# Altium PCB Audio-Streamer-Mainboard.PcbDoc (part 6 of 7) (continued)
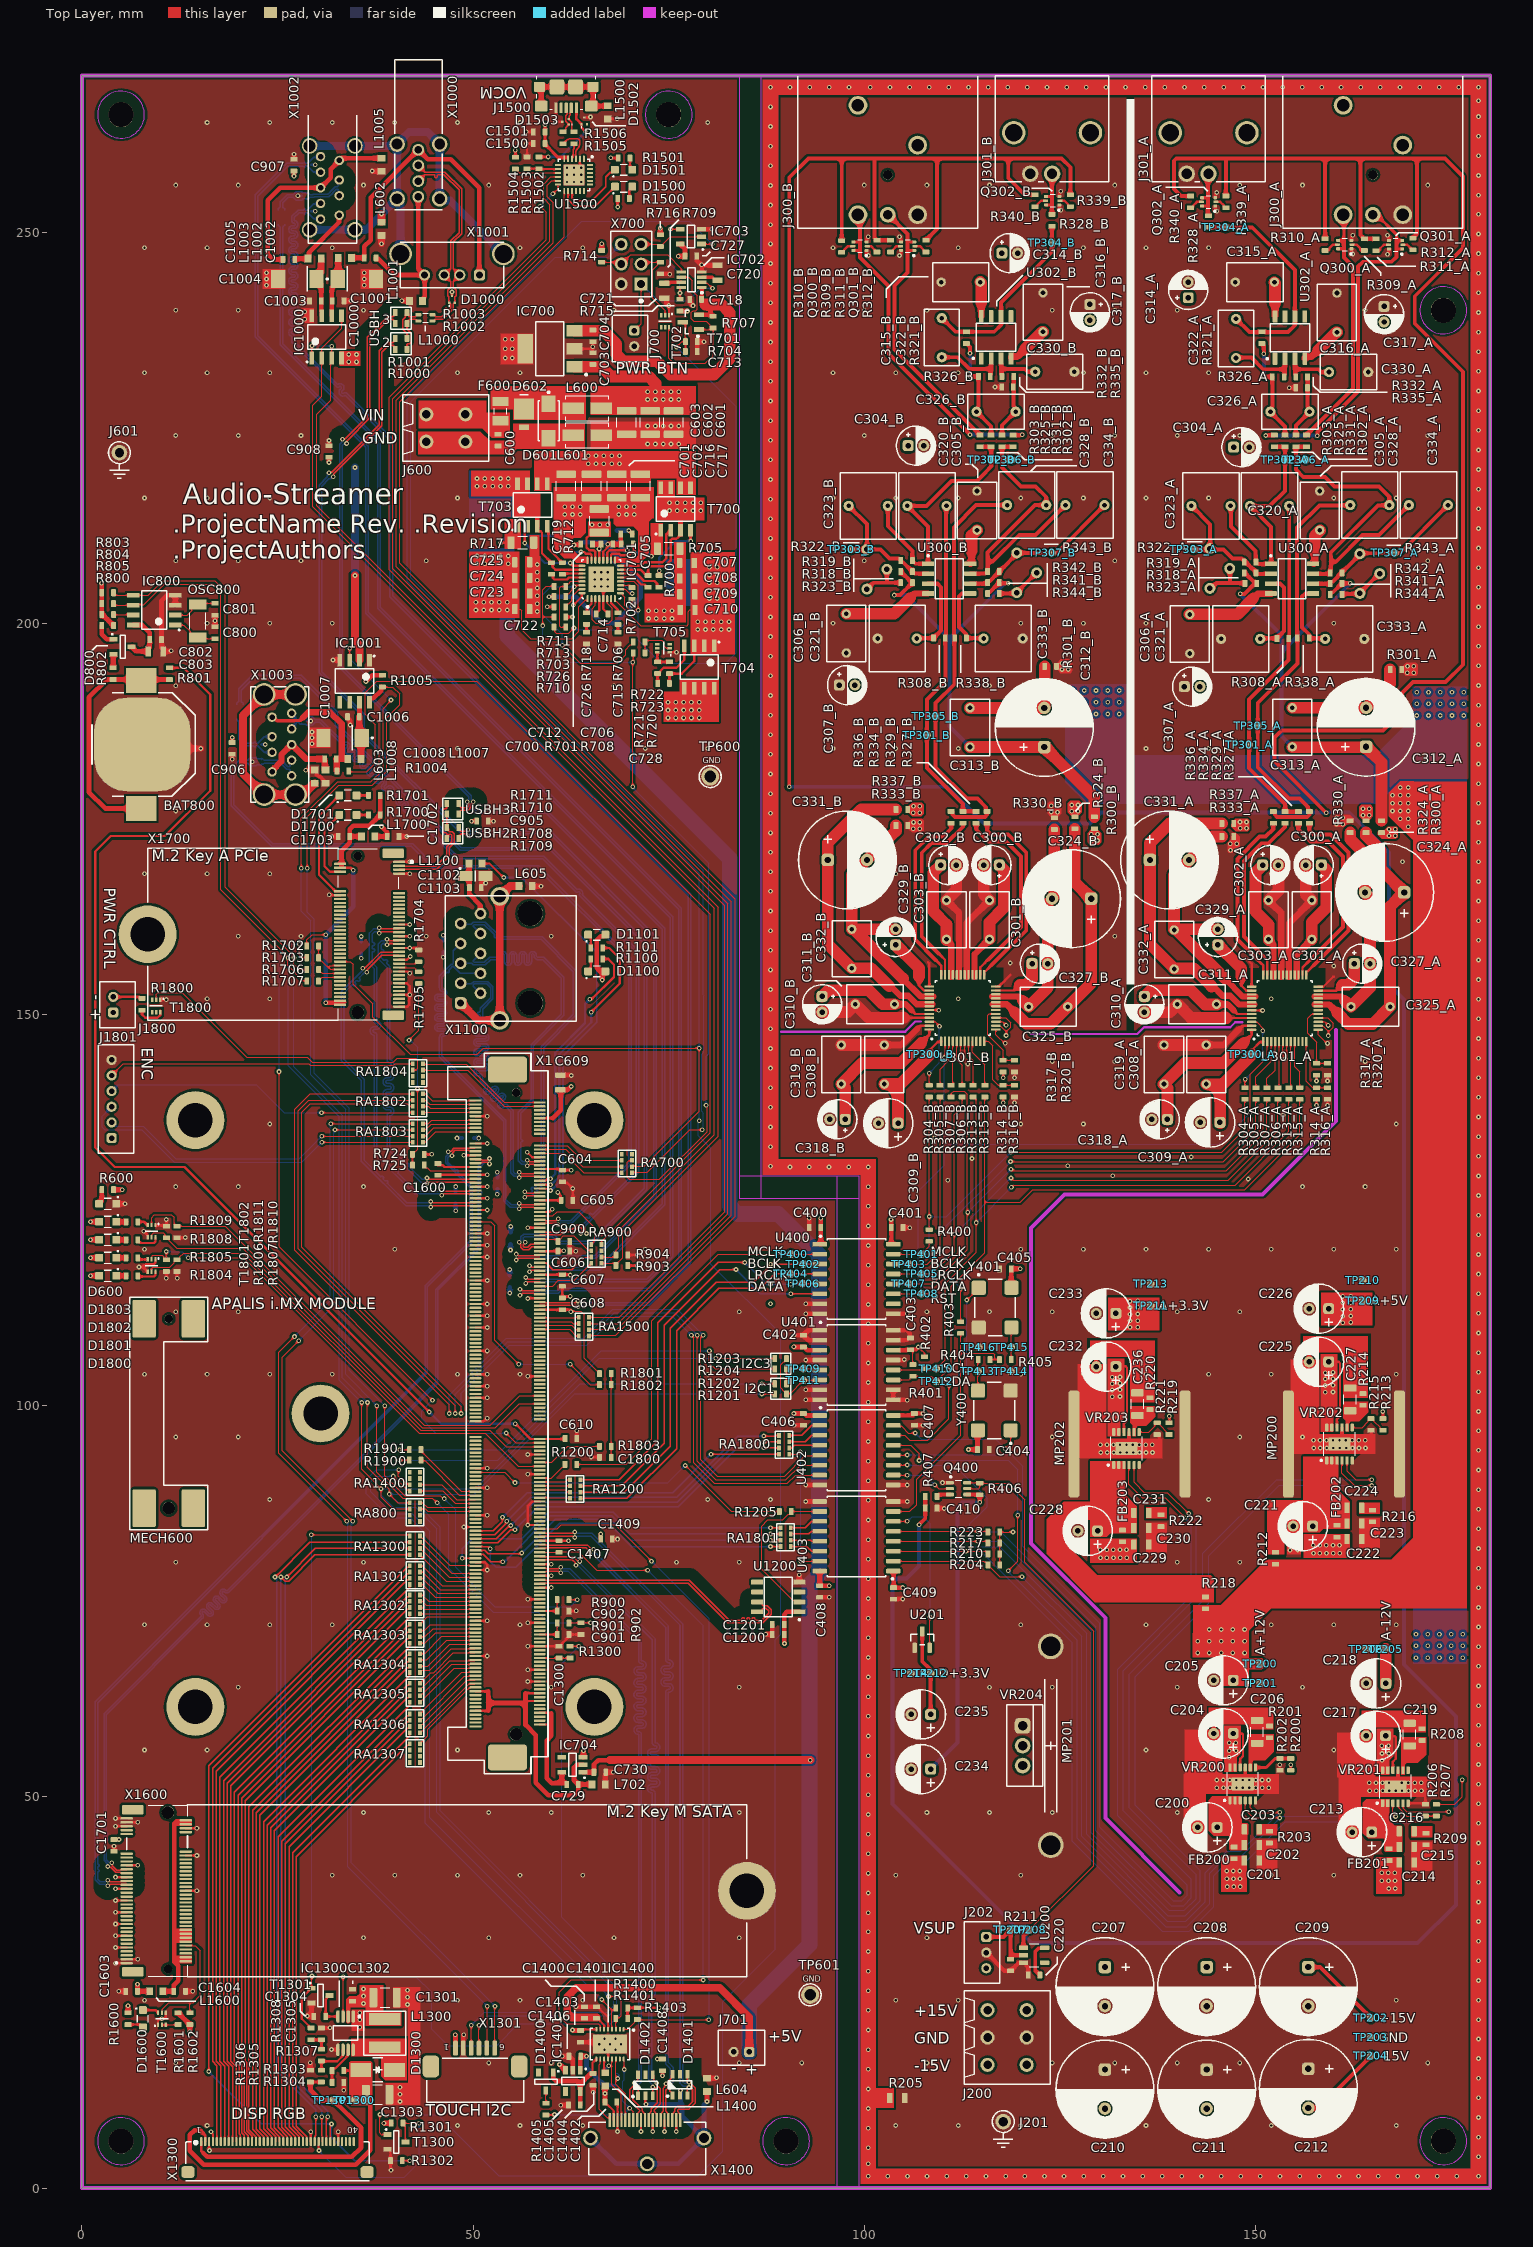
[diagram p0: Top Layer view]
## Nets (pads, with @x,y where several pads share a name; then routed paths per layer and width w, separated by ;. In a path a pad name is that pad's centre, name@x,y a point inside that pad or via, vN(x,y) a via of type N, cw(c..) or ccw(c..) an arc to the next point about the centre after c; other vN are vias at no path point) (continued)
USBH3_D_N: R1002.1 R1710.1 X1.88 | length 164.7
  Top Layer w0.165: v1(33.83,222.97) 33.902,223.042 33.902,223.342 36.8,226.24 36.8,236.438 39.2,238.838 39.736,238.838 39.832,238.741 39.832,238.517 R1002.1@40.05,238.3 ; R1710.1@48.15,175.6 48.368,175.817 48.368,176.016 48.464,176.113 49.382,176.113 49.787,176.518 49.787,176.886 50,177.098 v1(50,177.2) ; v1(57.2,117.125) 57.29,117.125 57.503,117.337 57.736,117.337 57.756,117.317 58.432,117.317 X1.88@58.5,117.25
  Bottom Layer w0.165: v1(33.83,222.97) 33.758,222.898 33.458,222.898 33.293,222.733 33.293,194.467 49.788,177.972 49.788,177.514 50,177.302 v1(50,177.2) 50,177.098 49.788,176.886 49.788,176.653 50.404,176.036 59.464,176.036 74.5,161 74.5,125.673 66.165,117.337 57.514,117.337 57.302,117.125 v1(57.2,117.125)
USBH3_D_P: R1003.1 R1711.1 X1.86 | length 164.2
  Top Layer w0.165: v1(33.3,223.5) 33.372,223.572 33.672,223.572 36.475,226.374 36.475,236.572 39.065,239.162 39.736,239.162 39.832,239.259 39.832,239.483 R1003.1@40.05,239.7 ; R1711.1@48.15,176.95 48.368,176.732 48.368,176.534 48.464,176.437 49.247,176.437 49.463,176.653 49.463,176.886 49.25,177.098 v1(49.25,177.2) ; v1(57.2,117.875) 57.29,117.875 57.503,117.662 57.736,117.662 57.756,117.682 58.432,117.682 X1.86@58.5,117.75
  Bottom Layer w0.165: v1(33.3,223.5) 33.228,223.428 33.228,223.128 32.968,222.867 32.968,194.332 49.463,177.837 49.463,177.514 49.25,177.302 v1(49.25,177.2) 49.25,177.098 49.463,176.886 49.463,176.518 50.269,175.711 59.329,175.711 74.175,160.865 74.175,125.807 66.03,117.662 57.514,117.662 57.302,117.875 v1(57.2,117.875)
USBH4_D_CON_N: D1003.2 L1004.4 X1002.2 | length 10
  Bottom Layer w0.165: L1004.4@25.759,253.093 25.662,253.189 25.662,253.73 26.39,254.458 27.017,254.458 27.387,254.088 28.086,254.088 28.236,254.238 28.935,254.238 D1003.2@28.968,254.27 29.035,254.337 29.035,254.361 29.132,254.458 29.669,254.458 29.7,254.489 31.575,254.489 32.049,254.962 32.049,255.003 32.533,255.488 32.67,255.488 32.767,255.391 32.767,254.783 X1002.2@32.9,254.65 ; L1004.4@25.76,253.093 25.9,252.953 L1004.4@25.9,252.8
USBH4_D_CON_P: D1003.1 L1004.3 X1002.3 | length 10.6
  Bottom Layer w0.165: L1004.3@25.1,252.8 25.1,252.953 L1004.3@25.24,253.093 ; L1004.3@25.241,253.093 25.338,253.189 25.338,253.864 26.256,254.782 27.017,254.782 27.387,255.152 28.086,255.152 28.236,255.002 28.935,255.002 D1003.1@28.968,254.97 29.035,254.902 29.035,254.879 29.132,254.782 29.534,254.782 29.565,254.814 31.44,254.814 31.724,255.097 31.724,255.137 32.399,255.812 32.67,255.812 32.767,255.909 32.767,256.517 X1002.3@32.9,256.65
USBH4_D_N: L1004.1 X1.100 | length 178.7
  Top Layer w0.165: v1(56,114.125) 56.102,114.125 56.314,114.337 57.736,114.337 57.756,114.317 58.432,114.317 X1.100@58.5,114.25
  Bottom Layer w0.165: L1004.1@25.759,250.707 25.662,250.611 25.662,235.738 38.125,223.275 38.125,202.075 76.625,163.575 76.625,118.665 72.63,114.67 61.23,114.67 60.897,114.337 56.314,114.337 56.102,114.125 v1(56,114.125) ; L1004.1@25.76,250.707 25.9,250.847 L1004.1@25.9,251
USBH4_D_P: L1004.2 X1.98 | length 178.7
  Top Layer w0.165: v1(56,114.875) 56.102,114.875 56.314,114.662 57.736,114.662 57.756,114.682 58.432,114.682 X1.98@58.5,114.75
  Bottom Layer w0.165: L1004.2@25.1,251 25.1,250.847 L1004.2@25.24,250.707 ; L1004.2@25.241,250.707 25.338,250.611 25.338,235.603 37.8,223.14 37.8,201.94 76.3,163.44 76.3,118.8 72.495,114.995 61.095,114.995 60.762,114.662 59.6,114.662 59.434,114.662 59.267,114.662 cw(c59.267,114.829) 59.101,114.829 59.101,114.908 ccw(c58.934,114.908) 58.934,115.075 ccw(c58.934,114.908) 58.768,114.908 58.768,114.829 cw(c58.601,114.829) 58.601,114.662 58.435,114.662 58.3,114.662 56.314,114.662 56.102,114.875 v1(56,114.875)
USBH4_SSRX_N: D1001.2 X1.92 X1002.5 | length 193.8
  Top Layer w0.165: v1(56.714,116.375) 56.816,116.375 57.028,116.162 57.736,116.162 57.756,116.182 58.432,116.182 X1.92@58.5,116.25
  Bottom Layer w0.165: X1002.5@30.5,259.65 30.402,259.552 29.649,259.552 28.879,258.783 28.639,258.783 28.543,258.88 28.543,258.882 D1001.2@28.475,258.95 28.407,258.882 28.407,258.859 28.311,258.762 26.203,258.762 22.175,254.735 22.175,236.6 36.275,222.5 36.275,201.265 75.175,162.365 75.175,119.155 72.19,116.17 66.1,116.17 ; v1(56.714,116.375) 56.816,116.375 57.028,116.162 70.2,116.162
USBH4_SSRX_P: D1001.1 X1.94 X1002.6 | length 193.9
  Top Layer w0.165: v1(56.714,115.625) 56.816,115.625 57.028,115.837 57.736,115.837 57.756,115.817 58.432,115.817 X1.94@58.5,115.75
  Bottom Layer w0.165: X1002.6@30.5,257.65 29.646,257.65 28.943,258.354 28.943,258.388 28.872,258.458 28.66,258.458 28.543,258.341 28.543,258.318 D1001.1@28.475,258.25 28.407,258.318 28.407,258.341 28.311,258.438 26.338,258.438 22.5,254.6 22.5,236.735 36.6,222.635 36.6,201.4 75.5,162.5 75.5,119.02 72.325,115.845 66.1,115.845 ; v1(56.714,115.625) 56.816,115.625 57.028,115.837 70.2,115.837
USBH4_SSTX_N: D1002.2 X1.104 X1002.8 | length 193.5
  Top Layer w0.165: X1.104@58.5,113.25 58.568,113.182 59.244,113.182 59.264,113.162 60.396,113.162 63.086,113.162 63.298,113.375 v1(63.4,113.375)
  Bottom Layer w0.165: X1002.8@30.5,253.65 30.452,253.602 29.649,253.602 28.943,252.896 28.943,252.883 28.872,252.812 28.639,252.812 28.543,252.909 28.543,252.932 D1002.2@28.475,253 28.407,252.932 28.407,252.909 28.311,252.812 27.623,252.812 26.845,252.035 26.845,251.391 ccw(c27.094,251.391) 27.094,251.142 cw(c27.094,250.976) 27.26,250.976 cw(c27.094,250.976) 27.094,250.809 26.921,250.809 ccw(c26.921,250.318) 26.921,249.826 27.094,249.826 cw(c27.094,249.66) 27.26,249.66 cw(c27.094,249.66) 27.094,249.493 26.921,249.493 ccw(c26.921,249.002) 26.921,248.51 27.094,248.51 cw(c27.094,248.344) 27.26,248.344 cw(c27.094,248.344) 27.094,248.177 26.921,248.177 ccw(c26.921,247.686) 26.921,247.194 27.094,247.194 cw(c27.094,247.028) 27.26,247.028 cw(c27.094,247.028) 27.094,246.861 26.921,246.861 ccw(c26.921,246.37) 26.921,245.878 27.094,245.878 cw(c27.094,245.712) 27.26,245.712 cw(c27.094,245.712) 27.094,245.545 26.921,245.545 ccw(c26.921,245.054) 26.921,244.562 27.094,244.562 cw(c27.094,244.396) 27.26,244.396 cw(c27.094,244.396) 27.094,244.229 26.921,244.229 ccw(c26.921,243.738) 26.921,243.246 27.094,243.246 cw(c27.094,243.08) 27.26,243.08 cw(c27.094,243.08) 27.094,242.913 26.921,242.913 ccw(c26.921,242.422) 26.921,241.93 27.094,241.93 cw(c27.094,241.764) 27.26,241.764 cw(c27.094,241.764) 27.094,241.597 26.921,241.597 ccw(c26.921,241.106) 26.921,240.614 27.094,240.614 cw(c27.094,240.448) 27.26,240.448 cw(c27.094,240.448) 27.094,240.281 26.921,240.281 ccw(c26.921,239.79) 26.921,239.298 27.094,239.298 cw(c27.094,239.132) 27.26,239.132 cw(c27.094,239.132) 27.094,238.965 26.921,238.965 ccw(c26.921,238.474) 26.921,237.982 27.094,237.982 cw(c27.094,237.816) 27.26,237.816 cw(c27.094,237.816) 27.094,237.649 26.921,237.649 ccw(c26.921,237.158) 26.845,236.672 26.845,235.93 32.542,230.233 ccw(c32.718,230.41) 32.894,230.233 cw(c33.012,230.116) 33.129,230.233 cw(c33.012,230.116) 33.178,230.116 cw(c33.012,230.116) 33.13,229.998 33.007,229.875 ccw(c33.354,229.528) 33.007,229.18 ccw(c33.354,229.528) 33.644,229.131 39.375,223.4 39.375,203.365 77.5,165.24 77.5,118.307 72.367,113.174 67.506,113.174 67.495,113.162 63.714,113.162 63.502,113.375 v1(63.4,113.375)
USBH4_SSTX_P: D1002.1 X1.106 X1002.9 | length 193.5
  Top Layer w0.165: X1.106@58.5,112.75 58.568,112.817 59.244,112.817 59.264,112.837 60.53,112.837 63.086,112.837 63.298,112.625 v1(63.4,112.625)
  Bottom Layer w0.165: X1002.9@30.5,251.65 30.452,251.698 29.649,251.698 28.943,252.404 28.943,252.417 28.872,252.488 28.639,252.488 28.543,252.391 28.543,252.368 D1002.1@28.475,252.3 28.407,252.368 28.407,252.391 28.311,252.488 27.757,252.488 27.17,251.9 27.17,251.461 cw(c27.094,250.976) 27.585,250.976 cw(c27.094,250.976) 27.094,250.484 26.921,250.484 ccw(c26.921,250.318) 26.921,250.151 27.094,250.151 cw(c27.094,249.66) 27.585,249.66 cw(c27.094,249.66) 27.094,249.168 26.921,249.168 ccw(c26.921,249.002) 26.921,248.835 27.094,248.835 cw(c27.094,248.344) 27.585,248.344 cw(c27.094,248.344) 27.094,247.852 26.921,247.852 ccw(c26.921,247.686) 26.921,247.519 27.094,247.519 cw(c27.094,247.028) 27.585,247.028 cw(c27.094,247.028) 27.094,246.536 26.921,246.536 ccw(c26.921,246.37) 26.921,246.203 27.094,246.203 cw(c27.094,245.712) 27.585,245.712 cw(c27.094,245.712) 27.094,245.22 26.921,245.22 ccw(c26.921,245.054) 26.921,244.887 27.094,244.887 cw(c27.094,244.396) 27.585,244.396 cw(c27.094,244.396) 27.094,243.904 26.921,243.904 ccw(c26.921,243.738) 26.921,243.571 27.094,243.571 cw(c27.094,243.08) 27.585,243.08 cw(c27.094,243.08) 27.094,242.588 26.921,242.588 ccw(c26.921,242.422) 26.921,242.255 27.094,242.255 cw(c27.094,241.764) 27.585,241.764 cw(c27.094,241.764) 27.094,241.272 26.921,241.272 ccw(c26.921,241.106) 26.921,240.939 27.094,240.939 cw(c27.094,240.448) 27.585,240.448 cw(c27.094,240.448) 27.094,239.956 26.921,239.956 ccw(c26.921,239.79) 26.921,239.623 27.094,239.623 cw(c27.094,239.132) 27.585,239.132 cw(c27.094,239.132) 27.094,238.64 26.921,238.64 ccw(c26.921,238.474) 26.921,238.307 27.094,238.307 cw(c27.094,237.816) 27.585,237.816 cw(c27.094,237.816) 27.094,237.324 26.921,237.324 ccw(c26.921,237.158) 26.921,236.991 cw(c26.921,236.742) 27.17,236.742 27.17,236.065 32.722,230.513 cw(c33.012,230.116) 33.359,230.463 cw(c33.012,230.116) 33.503,230.116 cw(c33.012,230.116) 33.359,229.768 33.237,229.646 ccw(c33.354,229.528) 33.237,229.41 ccw(c33.354,229.528) 33.472,229.41 cw(c33.648,229.234) 33.824,229.41 39.7,223.535 39.7,203.5 77.825,165.375 77.825,118.173 72.501,112.849 67.641,112.849 67.629,112.837 63.714,112.837 63.502,112.625 v1(63.4,112.625)
USBH_D_CON_N: D1000.2 L1000.1 X1000.2 X1001.2 | length 26.9
  Top Layer w0.165: X1000.2@43,258.51 43.838,257.672 44.078,257.672 46.387,257.672 48.525,255.535 48.525,249.797 47.462,248.734 47.462,245.338 X1001.2@48.3,244.5 47.462,243.662 47.462,242.926 47.832,242.556 47.832,241.857 47.682,241.707 47.682,241.008 D1000.2@47.65,240.975 47.582,240.908 47.559,240.908 47.462,240.811 47.462,240.203 46.137,238.878 45.189,238.878 L1000.1@45.093,238.781 ; L1000.1@44.8,238.64 44.953,238.64 L1000.1@45.093,238.78
USBH_D_CON_P: D1000.1 L1000.2 X1000.3 X1001.3 | length 26.9
  Top Layer w0.165: X1000.3@43,256.51 43.838,257.348 44.212,257.348 44.6,257.348 44.766,257.348 44.933,257.348 cw(c44.933,257.181) 45.099,257.181 45.099,257.098 ccw(c45.266,257.098) 45.266,256.932 ccw(c45.266,257.098) 45.432,257.098 45.432,257.181 cw(c45.599,257.181) 45.599,257.348 45.765,257.348 46,257.348 46.252,257.348 48.2,255.4 48.2,249.932 47.138,248.869 47.138,245.338 X1001.3@46.3,244.5 47.138,243.662 47.138,242.926 46.768,242.556 46.768,241.857 46.918,241.707 46.918,241.008 D1000.1@46.95,240.975 47.018,240.908 47.041,240.908 47.138,240.811 47.138,240.338 47.062,240.262 46.944,240.144 cw(c46.827,240.262) 46.709,240.144 46.65,240.203 ccw(c46.533,240.085) 46.415,240.203 ccw(c46.533,240.085) 46.415,239.967 46.473,239.909 cw(c46.356,239.791) 46.473,239.673 46.356,239.556 46.12,239.32 46.002,239.203 45.189,239.203 45.093,239.299 44.953,239.44 L1000.2@44.8,239.44
USBH_D_FILT_N: L1000.4 R1000.2 R1002.2 | length 5.8
  Top Layer w0.165: R1000.2@41.55,235 41.55,235.621 41.647,235.717 41.902,235.717 42.082,235.898 42.082,237.083 41.55,237.615 R1002.2@41.55,238.3 41.768,238.517 41.768,238.741 41.904,238.878 42.611,238.878 L1000.4@42.707,238.781 ; L1000.4@42.707,238.78 42.847,238.64 L1000.4@43,238.64
USBH_D_FILT_P: L1000.3 R1001.2 R1003.2 | length 5.6
  Top Layer w0.165: R1001.2@41.55,236.4 41.55,237.05 41,237.6 41,238.8 41.333,239.133 41.333,239.337 41.55,239.554 R1003.2@41.55,239.7 41.768,239.483 41.768,239.259 41.824,239.203 42.611,239.203 42.707,239.299 42.847,239.44 L1000.3@43,239.44
USBH_EN: IC1000.2 IC1000.5 R904.2 RA900.7 | length 150
  Top Layer w0.15: IC1000.5@33.19,239.3 33.19,237.69 30.65,235.15 IC1000.2@30.65,233.9 30.658,233.892 30.658,229 29.5,227.842 29.5,214.921 80.84,163.581 80.84,134.62 68.64,122.42 68.64,120.165 68.25,119.775 R904.2@68.25,119.25 68.25,119.225 68.025,119 RA900.7@66.4,119
USBH_OC#: IC1000.1 IC1000.3 R903.2 RA900.8 | length 151
  Top Layer w0.15: IC1000.1@29.38,233.9 29.38,235.43 v1(29.4,235.45) ; v1(31.932,235.4) 31.92,235.388 IC1000.3@31.92,233.9 31.8,233.78 31.8,228.5 30,226.7 30,215 81.31,163.69 81.31,134.425 69.11,122.225 69.11,118.91 68.25,118.05 R903.2@68.25,117.975 ; RA900.8@66.4,118.2 68.025,118.2 R903.2@68.25,117.975 ; R903.2@68.25,117.9 R903.2@68.25,117.975
  Bottom Layer w0.15: v1(29.4,235.45) 31.882,235.45 v1(31.932,235.4)
USBH_PCIE_N: R1708.2 R1710.2 X1700.5 | length 13.4
  Top Layer w0.165: X1700.5@40.55,168.5 40.617,168.567 41.319,168.567 41.339,168.588 45.347,168.588 46.975,170.215 46.975,171.309 47.59,171.925 47.59,173.075 47.303,173.362 46.964,173.362 46.867,173.459 46.867,173.682 R1708.2@46.65,173.9 R1710.2@46.65,175.6
USBH_PCIE_P: R1709.2 R1711.2 X1700.3 | length 15.8
  Top Layer w0.165: X1700.3@40.55,169 40.617,168.932 41.319,168.932 41.339,168.912 45.212,168.912 46.65,170.35 46.65,171.444 47.265,172.059 47.265,172.941 47.169,173.038 46.964,173.038 46.867,172.941 46.867,172.718 R1709.2@46.65,172.5 46.65,173.121 46.553,173.217 46.298,173.217 46.1,173.415 46.1,176.085 46.298,176.282 46.553,176.282 46.62,176.349 46.62,176.92 R1711.2@46.65,176.95
USBO1_D_CON_N: D1004.2 L1006.3 X1003.2 | length 7.3
  Bottom Layer w0.165: L1006.3@20.6,187.8 20.6,187.647 20.46,187.508 20.362,187.411 20.362,185.338 21.038,184.662 21.911,184.662 22.007,184.759 22.007,184.783 D1004.2@22.075,184.85 22.142,184.783 22.142,184.759 22.239,184.662 22.472,184.662 22.543,184.733 22.543,184.746 23.296,185.5 X1003.2@24.3,185.5
USBO1_D_CON_P: D1004.1 L1006.4 X1003.3 | length 7.9
  Bottom Layer w0.165: L1006.4@19.8,187.8 19.8,187.647 19.94,187.508 20.038,187.411 20.038,185.203 20.903,184.338 21.911,184.338 22.007,184.241 22.007,184.218 D1004.1@22.075,184.15 22.142,184.218 22.142,184.241 22.239,184.338 22.472,184.338 22.543,184.267 22.543,184.254 23.296,183.5 X1003.3@24.3,183.5
USBO1_D_N: L1006.2 X1.76 | length 123.7
  Top Layer w0.165: v1(55.9,120.9) 55.9,120.798 56.112,120.586 56.112,120.218 56.399,119.931 57.096,119.931 57.503,120.337 57.736,120.337 57.756,120.317 58.432,120.317 X1.76@58.5,120.25
  Bottom Layer w0.165: L1006.2@20.6,189.6 20.6,189.753 20.46,189.893 20.362,189.989 20.362,191.462 21.9,193 27.907,193 32.4,188.507 32.4,186.94 48.34,171 59.94,171 71.875,159.065 71.875,127.759 65.116,121 61.2,121 60.275,121.925 56.455,121.925 56.112,121.582 56.112,121.214 55.9,121.002 v1(55.9,120.9)
USBO1_D_P: L1006.1 X1.74 | length 124.3
  Top Layer w0.165: v1(56.65,120.9) 56.65,120.798 56.437,120.586 56.437,120.353 56.534,120.256 56.961,120.256 57.368,120.662 57.736,120.662 57.756,120.682 58.432,120.682 X1.74@58.5,120.75
  Bottom Layer w0.165: L1006.1@19.8,189.6 19.8,189.753 19.94,189.893 20.038,189.989 20.038,191.597 21.765,193.325 28.042,193.325 32.725,188.642 32.725,187.075 48.475,171.325 60.075,171.325 72.2,159.2 72.2,127.625 65.25,120.675 61.065,120.675 60.14,121.6 56.59,121.6 56.437,121.447 56.437,121.214 56.65,121.002 v1(56.65,120.9)
USBO1_EN: IC1001.3 R901.2 R902.2 | length 162.3
  Top Layer w0.15: v1(28.05,168.7) 28.05,175.121 32.674,179.745 36.945,179.745 38.5,181.3 38.5,189.1 39.5,190.1 v1(39.5,190.2) ; v1(34.215,196.8) IC1001.3@34.215,195.3 IC1001.3@34.237,195.278 ; v1(37.7,100) 37.7,91.5 41,88.2 44.8,88.2 v1(45.4,87.6) ; R901.2@62.25,72.2 62.3,72.25 R902.2@63.8,72.25 v1(65,72.25)
  Bottom Layer w0.15: v1(28.05,168.7) 28.05,163.207 29.255,162.002 29.255,142.316 33.7,137.871 33.7,104 v1(37.7,100) ; v1(34.215,196.8) 34.215,195.485 v1(39.5,190.2) ; v1(45.4,87.6) 46.9,86.1 46.9,79.25 52.55,73.6 58.3,73.6 59.65,72.25 v1(65,72.25)
USBO1_ID: RA900.6
USBO1_OC#: IC1001.8 R900.2 R1005.1 | length 154.3
  Top Layer w0.15: v1(28.8,168.7) 28.8,175.241 32.859,179.3 37.129,179.3 38.945,181.116 38.945,187.945 40.6,189.6 40.6,191 39.75,191.85 R1005.1@38.4,191.85 R1005.1@38.25,191.85 ; v1(38.7,99.99) 38.7,91.06 41.26,88.5 45.8,88.5 46.016,88.284 46.019,88.284 46.178,88.125 v1(46.3,88.125) ; R900.2@62.25,75.2 v1(63.3,75.2)
  Top Layer w0.6: IC1001.8@36.755,189.9 36.755,190.4 37.255,190.4 38.25,191.395 R1005.1@38.25,191.85
  Bottom Layer w0.15: v1(28.8,168.7) 28.8,163.086 29.7,162.186 29.7,142.5 34.181,138.019 34.181,104.508 v1(38.7,99.99) ; v1(46.3,88.125) 47.756,86.669 47.756,79.317 52.774,74.3 62.4,74.3 v1(63.3,75.2)
USBO1_SSRX_N: D1005.2 X1.64 X1003.5 | length 113.8
  Top Layer w0.165: X1.64@58.5,123.25 58.568,123.317 59.244,123.317 59.264,123.337 60.586,123.337 60.798,123.125 v1(60.9,123.125)
  Bottom Layer w0.165: X1003.5@26.8,180.5 26.6,180.7 26.6,181.208 26.471,181.338 26.199,181.338 25.399,182.138 23.289,182.138 23.192,182.041 23.192,182.018 D1005.2@23.125,181.95 23.092,181.918 22.393,181.918 22.243,181.768 21.544,181.768 21.174,182.138 20.238,182.138 19.4,181.3 19.4,176.8 24.4,171.8 42.26,171.8 45.06,169 58.36,169 70.2,157.16 70.2,130.94 62.597,123.337 61.214,123.337 61.002,123.125 v1(60.9,123.125)
USBO1_SSRX_P: D1005.1 X1.62 X1003.6 | length 113.8
  Top Layer w0.165: X1.62@58.5,123.75 58.568,123.682 59.244,123.682 59.264,123.662 60.586,123.662 60.798,123.875 v1(60.9,123.875)
  Bottom Layer w0.165: X1003.6@26.8,182.5 26.6,182.3 26.6,181.792 26.471,181.662 26.334,181.662 25.534,182.462 23.289,182.462 23.192,182.559 23.192,182.582 D1005.1@23.125,182.65 23.092,182.682 22.393,182.682 22.243,182.832 21.544,182.832 21.174,182.462 20.103,182.462 19.075,181.435 19.075,176.665 24.265,171.475 42.125,171.475 44.925,168.675 58.225,168.675 69.875,157.025 69.875,131.075 62.462,123.662 61.214,123.662 61.002,123.875 v1(60.9,123.875)
USBO1_SSTX_N: D1006.1 X1.70 X1003.8 | length 113.6
  Top Layer w0.165: X1.70@58.5,121.75 58.568,121.817 59.244,121.817 59.264,121.837 61.136,121.837 61.498,122.2 62.8,122.2 63.35,122.75 63.8,122.75 63.963,122.587 63.963,122.314 63.75,122.102 v1(63.75,122)
  Bottom Layer w0.165: X1003.8@26.8,186.5 26.8,186.66 27.478,187.338 27.711,187.338 27.807,187.241 27.807,187.218 D1006.1@27.875,187.15 27.907,187.118 28.607,187.118 28.757,186.968 29.456,186.968 29.826,187.338 30.4,187.338 33.309,184.429 ccw(c33.485,184.605) 33.661,184.429 cw(c33.779,184.311) 33.897,184.429 cw(c33.779,184.311) 33.945,184.311 cw(c33.779,184.311) 33.897,184.193 33.774,184.071 ccw(c34.122,183.723) 33.774,183.376 ccw(c34.122,183.723) 34.469,183.376 34.592,183.498 cw(c34.709,183.38) 34.827,183.498 cw(c34.709,183.38) 34.876,183.38 cw(c34.709,183.38) 34.827,183.263 34.705,183.14 ccw(c35.052,182.793) 34.705,182.445 ccw(c35.052,182.793) 35.4,182.445 35.522,182.568 cw(c35.64,182.45) 35.758,182.568 cw(c35.64,182.45) 35.807,182.45 cw(c35.64,182.45) 35.758,182.332 35.635,182.21 ccw(c35.983,181.862) 35.635,181.514 ccw(c35.983,181.862) 36.33,181.514 36.453,181.637 ; 36.453,181.637 cw(c36.571,181.519) 36.688,181.637 cw(c36.571,181.519) 36.737,181.519 cw(c36.571,181.519) 36.688,181.402 36.566,181.279 ccw(c36.913,180.931) 36.566,180.584 ccw(c36.913,180.931) 37.261,180.584 37.383,180.706 cw(c37.501,180.589) 37.619,180.706 cw(c37.501,180.589) 37.668,180.589 cw(c37.501,180.589) 37.619,180.471 37.496,180.348 ccw(c37.844,180.001) 37.496,179.653 ccw(c37.844,180.001) 38.191,179.653 38.314,179.776 cw(c38.432,179.658) 38.549,179.776 cw(c38.432,179.658) 38.598,179.658 cw(c38.432,179.658) 38.549,179.54 38.427,179.418 ccw(c38.774,179.07) 38.427,178.723 ccw(c38.774,179.07) 39.122,178.723 39.244,178.845 cw(c39.362,178.728) 39.48,178.845 cw(c39.362,178.728) 39.529,178.728 cw(c39.362,178.728) 39.48,178.61 39.357,178.487 ccw(c39.705,178.14) 39.357,177.792 ccw(c39.705,178.14) 40.052,177.792 40.175,177.915 cw(c40.293,177.797) 40.41,177.915 cw(c40.293,177.797) 40.459,177.797 cw(c40.293,177.797) 40.41,177.679 40.288,177.557 ccw(c40.635,177.209) 40.288,176.862 ccw(c40.635,177.209) 40.983,176.862 41.106,176.984 cw(c41.223,176.867) 41.341,176.984 cw(c41.223,176.867) 41.39,176.867 cw(c41.223,176.867) 41.341,176.749 41.218,176.626 ccw(c41.566,176.279) 41.218,175.931 ccw(c41.566,176.279) 41.856,175.882 47.862,169.875 58.925,169.875 63.162,165.638 ; 63.162,165.638 ccw(c63.277,165.752) 63.392,165.638 cw(c63.501,165.529) 63.609,165.638 ; 63.628,165.619 cw(c63.519,165.51) 63.673,165.51 cw(c63.519,165.51) 63.628,165.402 ccw(c63.743,165.287) 63.628,165.172 70.875,157.925 70.875,129.975 67,126.1 65.375,124.475 cw(c65.258,124.593) 65.14,124.475 65.1,124.515 ccw(c64.982,124.398) 64.864,124.515 ccw(c64.982,124.398) 64.864,124.28 64.904,124.24 cw(c64.787,124.122) 64.904,124.004 cw(c64.787,124.122) 64.669,124.004 64.629,124.044 ccw(c64.511,123.927) 64.393,124.044 ccw(c64.511,123.927) 64.393,123.809 64.433,123.769 cw(c64.316,123.651) 64.433,123.533 64.316,123.416 64.08,123.18 63.963,123.063 63.963,122.314 63.75,122.102 v1(63.75,122)
USBO1_SSTX_P: D1006.2 X1.68 X1003.9 | length 113.6
  Top Layer w0.165: X1.68@58.5,122.25 58.568,122.182 59.244,122.182 59.264,122.162 61.001,122.162 61.364,122.525 62.665,122.525 63.215,123.075 63.934,123.075 64.288,122.722 64.288,122.314 64.5,122.102 v1(64.5,122)
  Bottom Layer w0.165: X1003.9@26.8,188.5 26.8,188.34 27.478,187.662 27.711,187.662 27.807,187.759 27.807,187.782 D1006.2@27.875,187.85 27.907,187.882 28.607,187.882 28.757,188.032 29.456,188.032 29.826,187.662 30.535,187.662 33.489,184.708 cw(c33.779,184.311) 34.126,184.658 cw(c33.779,184.311) 34.27,184.311 cw(c33.779,184.311) 34.126,183.963 34.004,183.841 ccw(c34.122,183.723) 34.004,183.605 ccw(c34.122,183.723) 34.239,183.605 34.362,183.728 cw(c34.709,183.38) 35.057,183.728 cw(c34.709,183.38) 35.201,183.38 cw(c34.709,183.38) 35.057,183.033 34.934,182.91 ccw(c35.052,182.793) 34.934,182.675 ccw(c35.052,182.793) 35.17,182.675 35.292,182.797 cw(c35.64,182.45) 35.988,182.797 cw(c35.64,182.45) 36.132,182.45 cw(c35.64,182.45) 35.988,182.102 35.865,181.98 ccw(c35.983,181.862) 35.865,181.744 ccw(c35.983,181.862) 36.1,181.744 36.223,181.867 cw(c36.571,181.519) 36.918,181.867 cw(c36.571,181.519) 37.062,181.519 cw(c36.571,181.519) 36.918,181.172 36.796,181.049 ccw(c36.913,180.931) 36.796,180.814 ccw(c36.913,180.931) 37.031,180.814 37.154,180.936 cw(c37.501,180.589) 37.849,180.936 cw(c37.501,180.589) 37.993,180.589 cw(c37.501,180.589) 37.849,180.241 37.726,180.119 ccw(c37.844,180.001) 37.726,179.883 ccw(c37.844,180.001) 37.961,179.883 38.084,180.006 cw(c38.432,179.658) 38.779,180.006 cw(c38.432,179.658) 38.923,179.658 cw(c38.432,179.658) 38.779,179.311 38.657,179.188 ccw(c38.774,179.07) 38.657,178.953 ccw(c38.774,179.07) 38.892,178.953 39.015,179.075 cw(c39.362,178.728) 39.71,179.075 cw(c39.362,178.728) 39.854,178.728 cw(c39.362,178.728) 39.71,178.38 39.587,178.258 ccw(c39.705,178.14) 39.587,178.022 ccw(c39.705,178.14) 39.822,178.022 39.945,178.145 cw(c40.293,177.797) 40.64,178.145 cw(c40.293,177.797) 40.784,177.797 cw(c40.293,177.797) 40.64,177.45 40.518,177.327 ccw(c40.635,177.209) 40.518,177.092 ccw(c40.635,177.209) 40.753,177.092 40.876,177.214 cw(c41.223,176.867) 41.571,177.214 cw(c41.223,176.867) 41.715,176.867 cw(c41.223,176.867) 41.571,176.519 41.448,176.396 ccw(c41.566,176.279) 41.448,176.161 ccw(c41.566,176.279) 41.684,176.161 cw(c41.86,175.985) 42.036,176.161 47.997,170.2 59.06,170.2 63.297,165.962 cw(c63.501,165.529) 63.839,165.867 ; 63.858,165.848 cw(c63.519,165.51) 63.998,165.51 cw(c63.519,165.51) 63.952,165.307 71.2,158.06 71.2,129.84 64.287,122.928 64.287,122.314 64.5,122.102 v1(64.5,122)
USBO1_VBUS: R1004.1 RA900.5 | length 118.6
  Top Layer w0.15: R1004.1@34.013,181.013 R1004.1@34.1,181.1 34.1,181.025 36.425,181.025 37.5,182.1 37.5,187.05 36.2,188.35 36.2,191.1 37.7,192.6 50.485,192.6 80.3,162.785 80.3,134.875 66.4,120.975 RA900.5@66.4,120.6
V5FILT: C706.2 IC701.3 IC701.6 IC701.20 R701.1 R702.2 R708.2 R713.2 R719.2 | length 41.9
  Top Layer w0.15: IC701.3@65.629,203.15 65.629,202.279 65.2,201.85 65.2,200.45 65.65,200 v1(66.5,200) 67.36,200 67.775,200.415 67.775,201.925 67.129,202.571 IC701.6@67.129,203.15 ; R702.2@70.3,203.06 70.3,202.31 v1(70.35,202.26)
  Top Layer w0.3: v1(59.7,203.4) R713.2@60.35,203.4 ; IC701.20@66.629,208.05 66.629,209.149 v1@67.344,209.864
  Top Layer w0.6: v1(67.2,210.1) R701.1@67.85,210.1 68.95,210.1 68.95,210.25 68.85,210.349 C706.2@68.85,211.4
  Bottom Layer w0.6: v1(59.7,203.4) 63.1,203.4 v1(66.5,200) 68.09,200 v1(70.35,202.26) 71.4,203.31 71.4,205.6 67.2,209.8 v1(67.2,210.1) 66.95,210.35 R719.2@63.879,210.35
V_SUPPLY_FILT: C601.2 C602.2 C603.2 C701.2 C702.2 C703.2 C712.2 C716.2 C717.2 IC700.1 IC701.22 L600.2 T700.5 T700.6 T703.5 T703.6 | length 20.5
  Top Layer w0.3: IC701.22@65.629,208.05 65.629,209.111 65.393,209.347 64.853,209.347 64.5,209.7 64.5,210.9 64.85,211.25 65.779,211.25 C712.2@66.129,211.6
  Top Layer w0.6: IC700.1@62.95,232.782 63.25,233.082 C703.2@65.3,233.082 ; v2(75.3,229.6) v2@75.444,229.744
  Top Layer w1.5: IC700.1@62.95,232.782 66.362,232.782 67.604,231.54 72.421,231.54 73.3,230.661 73.3,230.044 73.6,229.744
  other v1: 65.2,212.6 66.2,212.6 67.2,212.6
  other v2: 64.7,220.4 65.7,220.4 66.7,220.4 67.7,220.4 68.7,220.4 64.7,221.4 65.7,221.4 66.7,221.4 67.7,221.4 68.7,221.4 72.3,228.6 73.3,228.6 74.3,228.6 75.3,228.6 76.3,228.6 72.3,229.6 73.3,229.6 74.3,229.6 76.3,229.6
VCC_BATT: BAT800.1 R801.1 R802.1 | length 31
  Top Layer w0.6: BAT800.1@7.578,176.33 2.97,176.33 0.9,178.4 0.9,190.514 3.186,192.8 3.703,192.8 3.718,192.815 R802.1@4,192.815 7.433,192.815 BAT800.1@7.578,192.67 7.708,192.8 R801.1@11.2,192.8
VCC_EXTRTC: D800.2 R802.2 | length 1.8
  Top Layer w0.6: R802.2@4,194.315 4,196.05 D800.2@4.05,196.05
VCC_INTRTC: C610.2 R801.2 X1.174 | length 150.2
  Top Layer w0.3: R801.2@11.2,194.3 13,194.3 16.4,190.9 16.4,178.6 10.6,172.8 3.675,172.8 1.7,170.825 1.7,133 4.2,130.5 13.1,130.5 v1(44.4,99.2) ; v1(55.4,97.7) 57.35,95.75 X1.174@58.5,95.75 61.7,95.75 C610.2@61.75,95.8
  Bottom Layer w0.3: v1(44.4,99.2) 45.9,97.7 v1(55.4,97.7)
VCC_RTC: C802.2 C803.1 D800.3 IC800.8 | length 7.5
  Top Layer w0.6: D800.3@6.35,197 6.55,197 6.55,196.8 6.942,196.408 C803.1@8.475,196.408 8.475,196.708 8.675,196.908 C802.2@8.675,197.908 8.675,198.79 7.692,199.773 IC800.8@6.55,199.773
VCC_USBH2: C1002.2 L1002.2 X1000.1 X1001.1 | length 39.3
  Top Layer w0.6: L1002.2@34.45,246.7 C1002.2@36.1,246.7 36.1,248.154 36.9,248.954 36.9,254.41 X1000.1@43,260.51 44.21,259.3 47.15,259.3 50.8,255.65 X1001.1@50.8,244.5
VCC_USBH4: C1005.2 L1003.2 X1002.1 | length 9
  Top Layer w0.6: C1005.2@27.2,246.5 27.2,246.6 L1003.2@28.91,246.6 29.045,246.735 29.045,247.445 32.862,251.262 32.862,252.112 X1002.1@32.9,252.15
VCC_USBO1: C1008.2 L1007.2 R1004.2 X1003.1 | length 17.7
  Top Layer w0.4: X1003.1@24.3,188 24.484,188 24.938,187.546 27.195,187.546 27.199,187.55 27.85,187.55 28.3,188
  Top Layer w0.8: 28.3,188 28.94,188.64 31.7,188.64 33.2,187.14 33.2,182.65 ; R1004.2@32.6,181.1 32.56,181.14 32.56,182.61 C1008.2@32.521,182.65 33.2,182.65 ; L1007.2@33.981,182.65 33.2,182.65
VCOM_CON_N: D1503.2 J1500.2 R1505.2 | length 3.5
  Top Layer w0.165: J1500.2@62.55,265.875 62.55,265.505 cw(c62.273,265.505) 62.469,265.309 ccw(c62.665,265.113) 62.387,265.113 62.387,264.942 62.292,264.847 62.292,264.517 D1503.2@62.225,264.45 62.489,264.186 cw(c62.203,263.9) 62.607,263.9 62.607,263.171 ccw(c62.979,263.171) 62.716,262.909 62.772,262.853 ccw(c62.9,262.981) R1505.2@62.9,262.8
VCOM_CON_P: D1503.1 J1500.3 R1506.2 | length 3.7
  Top Layer w0.165: R1506.2@61.5,262.8 ccw(c61.5,263.054) 61.679,262.874 61.714,262.909 ccw(c61.451,263.171) 61.822,263.171 61.823,263.183 cw(c62.221,263.183) 61.939,263.464 D1503.1@62.225,263.75 61.843,264.132 61.843,264.893 62.063,265.113 ccw(c61.785,265.113) 61.981,265.309 cw(c62.177,265.505) 61.9,265.505 J1500.3@61.9,265.875
VCOM_N: R1505.1 U1500.4 | length 2
  Top Layer w0.165: U1500.4@62.7,259.4 ccw(c62.518,259.581) 62.775,259.581 62.775,260.426 cw(c62.94,260.426) 62.822,260.542 cw(c62.941,260.427) 62.824,260.543 ccw(c62.634,260.73) 62.9,260.73 R1505.1@62.9,261.3